# Altium PCB CL-HC-M-V2.1gerber.PcbDoc (part 10 of 16)
Units mil, origin at the board's own origin, x right, y up, seen from the top; angles counter-clockwise.
Board outline 27559.06 x 27559.06 mil, 2 copper layers (TopLayer, BottomLayer); 575 components, 528 nets, 1941 pads, 1850 vias.
Unrouted connection lines stored in the file: 70.
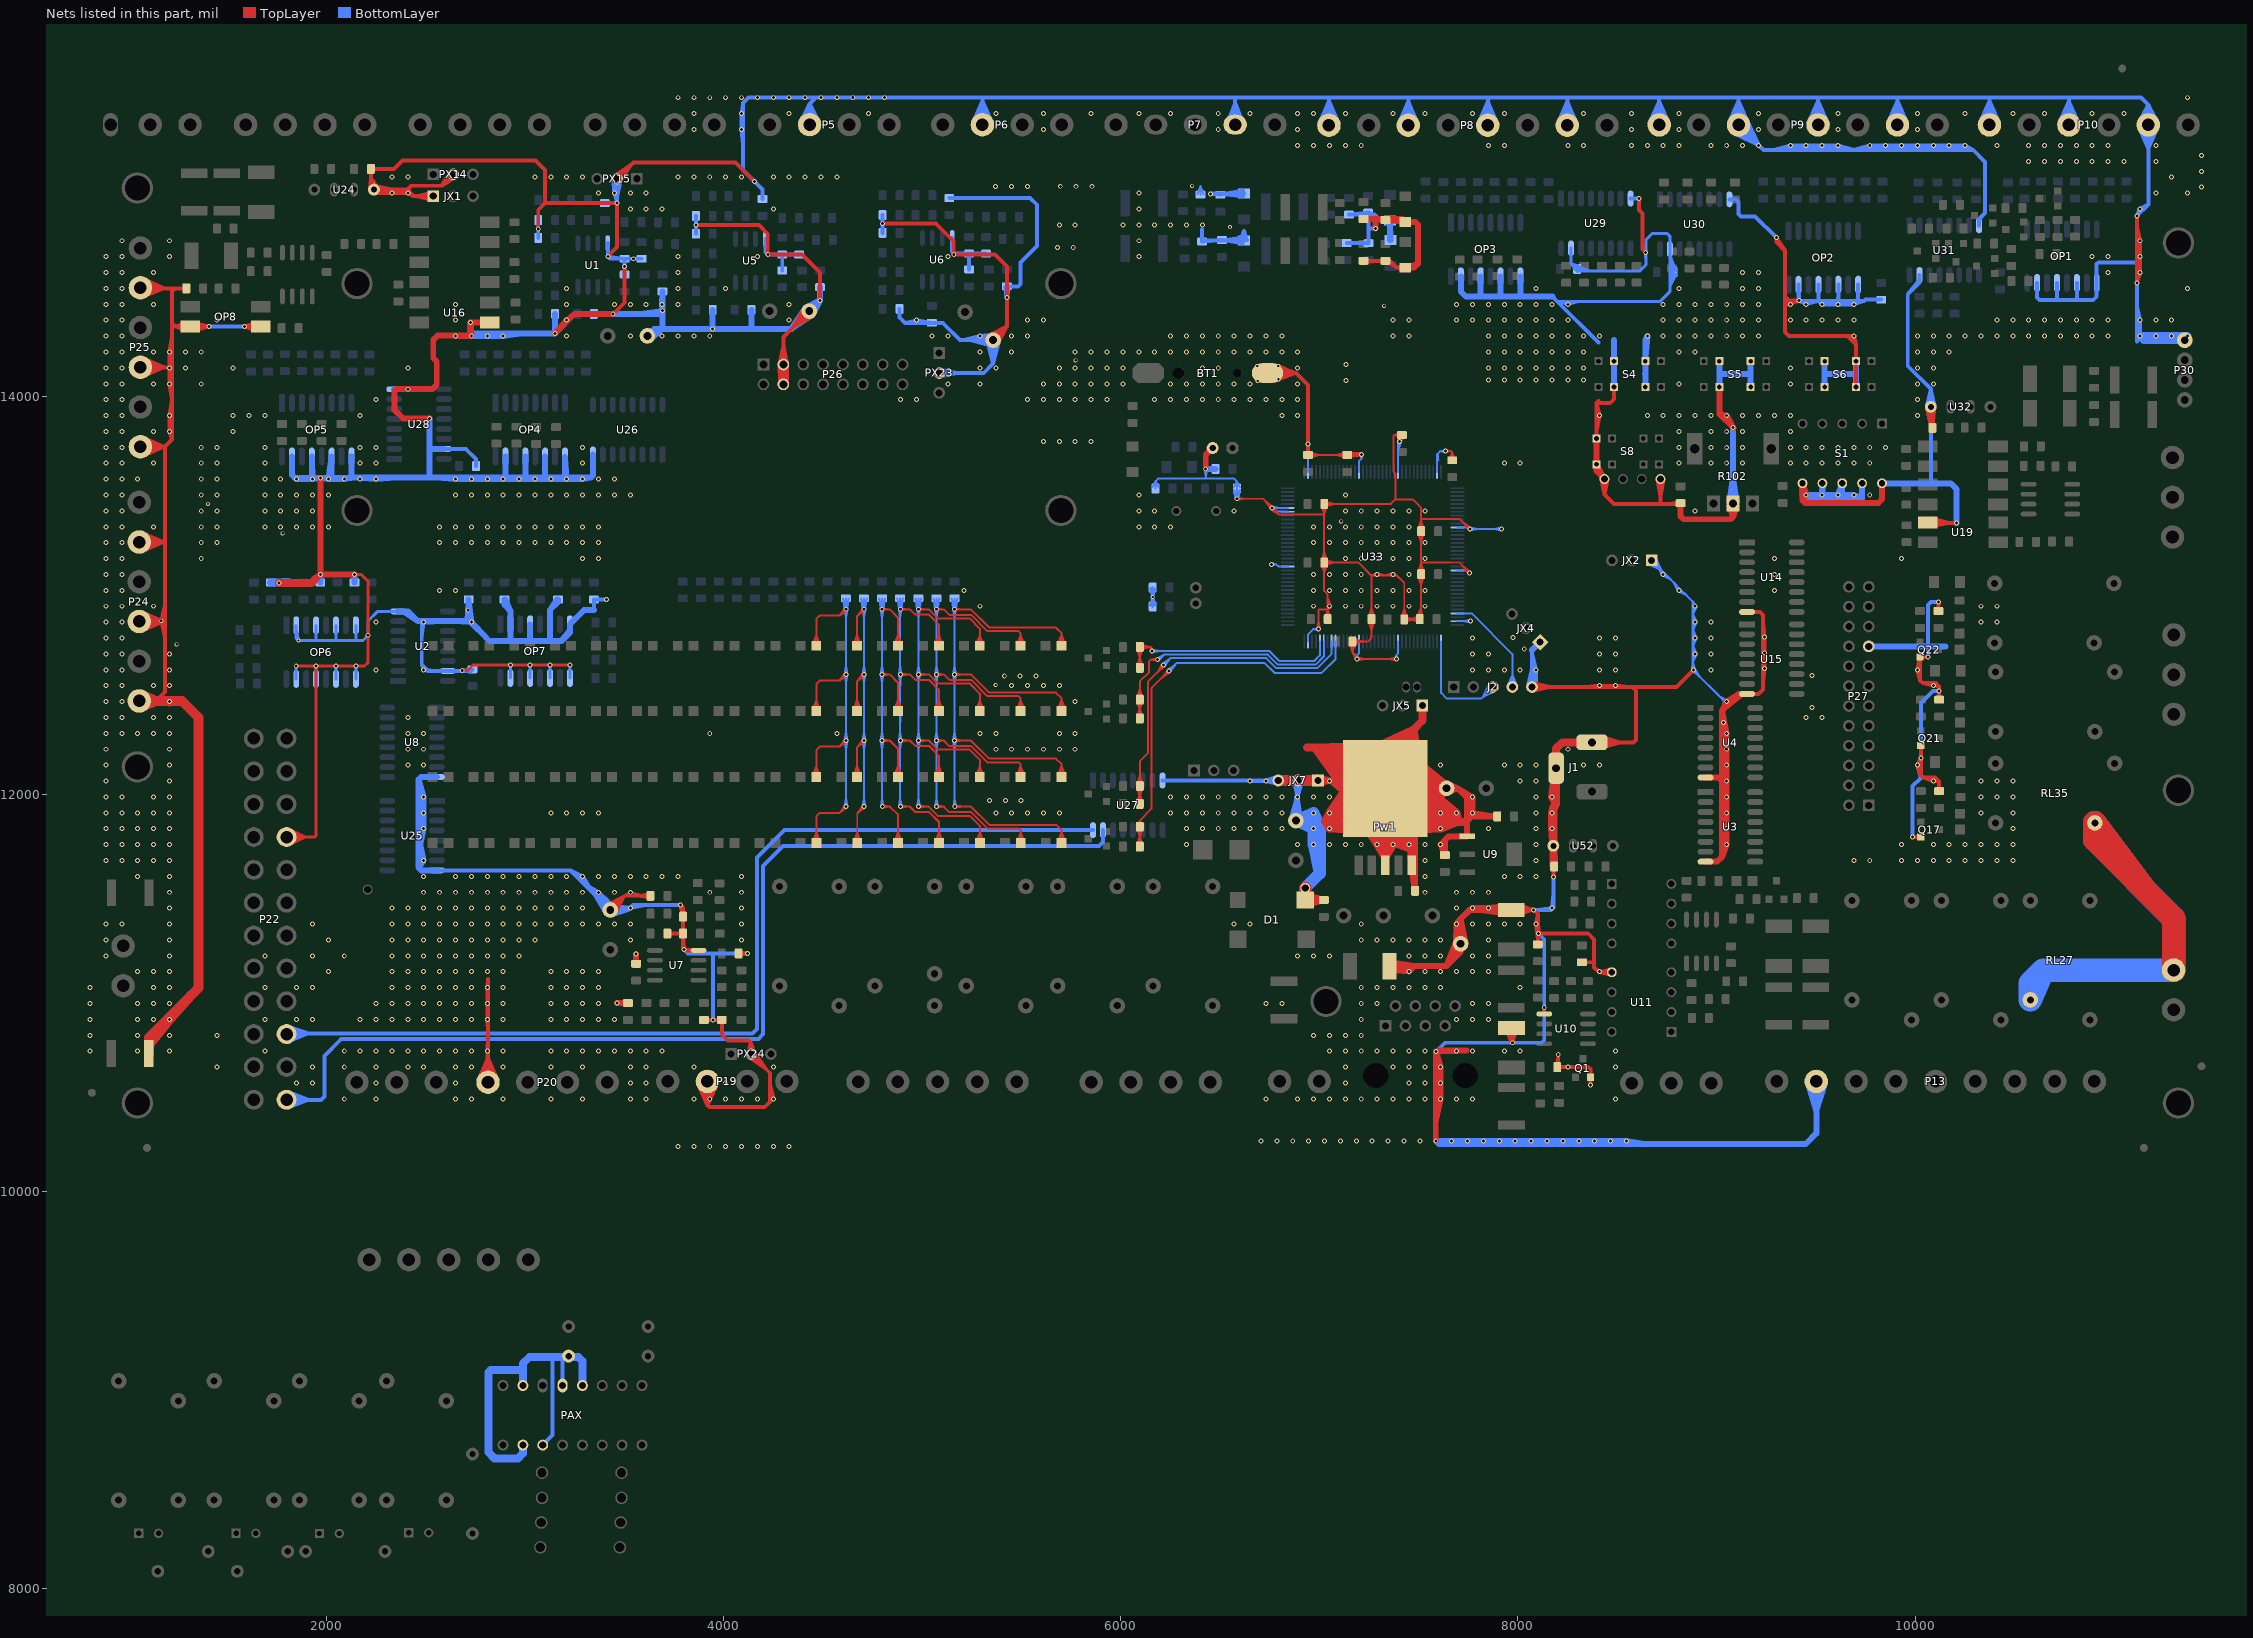
[diagram p10: the nets of this part, all layers, seen from the top]

## Via types
v1: diameter 25, hole 15, TopLayer to BottomLayer, tented both sides, 1813 vias
v2: diameter 20, hole 12, TopLayer to BottomLayer, tented both sides, 24 vias
v3: diameter 25, hole 15, TopLayer to BottomLayer, 13 vias

## Nets (pads, with @x,y where several pads share a name; then routed paths per layer and width w, separated by ;. In a path a pad name is that pad's centre, name@x,y a point inside that pad or via, vN(x,y) a via of type N, cw(c..) or ccw(c..) an arc to the next point about the centre after c; other vN are vias at no path point) (continued)
GND: (continued)
  other v1: 3771.13,10225.98 3851.13,10225.98 3931.13,10225.98 4011.13,10225.98 4091.13,10225.98 4171.13,10225.98 4251.13,10225.98 4331.13,10225.98 6706.22,10254.24 6786.22,10254.24 6866.22,10254.24 6946.22,10254.24 7026.22,10254.24 7106.22,10254.24 7186.22,10254.24 7266.22,10254.24 7346.22,10254.24 7426.22,10254.24 7506.22,10254.24 2091.13,10465.98 2251.13,10465.98 2651.13,10465.98 2731.13,10465.98 2891.13,10465.98 3131.13,10465.98 3291.13,10465.98 3531.13,10465.98 3611.13,10465.98 3851.13,10465.98 4011.13,10465.98 4091.13,10465.98 4171.13,10465.98 6731.13,10465.98 6891.13,10465.98 6971.13,10465.98 7051.13,10465.98 7131.13,10465.98 7211.13,10465.98 7291.13,10465.98 7371.13,10465.98 7451.13,10465.98 7531.13,10465.98 7691.13,10465.98 7771.13,10465.98 8491.13,10465.98 1851.13,10545.98 1931.13,10545.98 2251.13,10545.98 2651.13,10545.98 3531.13,10545.98 3611.13,10545.98 4011.13,10545.98 7131.13,10545.98 7451.13,10545.98 7531.13,10545.98 1451.13,10625.98 1931.13,10625.98 2091.13,10625.98 2251.13,10625.98 2411.13,10625.98 2491.13,10625.98 2651.13,10625.98 2731.13,10625.98 2891.13,10625.98 3131.13,10625.98 3291.13,10625.98 3531.13,10625.98 3611.13,10625.98 3851.13,10625.98 4251.13,10625.98 7131.13,10625.98 7371.13,10625.98 7451.13,10625.98 7531.13,10625.98 8491.13,10625.98 811.13,10705.98 1051.13,10705.98 1211.13,10705.98 1691.13,10705.98 2091.13,10705.98 2171.13,10705.98 2251.13,10705.98 2331.13,10705.98 2411.13,10705.98 2491.13,10705.98 2571.13,10705.98 2651.13,10705.98 2731.13,10705.98 2891.13,10705.98 3131.13,10705.98 3211.13,10705.98 3291.13,10705.98 3371.13,10705.98 3451.13,10705.98 3531.13,10705.98 3611.13,10705.98 3691.13,10705.98 7051.13,10705.98 7131.13,10705.98 7211.13,10705.98 7291.13,10705.98 7371.13,10705.98 7451.13,10705.98 7531.13,10705.98 7771.13,10705.98 7931.13,10705.98 8011.13,10705.98 8491.13,10705.98 811.13,10785.98 1051.13,10785.98 1211.13,10785.98 1451.13,10785.98 6971.13,10785.98 7051.13,10785.98 7131.13,10785.98 7211.13,10785.98 811.13,10865.98 1051.13,10865.98 1131.13,10865.98 1691.13,10865.98 1851.13,10865.98 1931.13,10865.98 2171.13,10865.98 2251.13,10865.98 2331.13,10865.98 2411.13,10865.98 2491.13,10865.98 2571.13,10865.98 2651.13,10865.98 2731.13,10865.98 2891.13,10865.98 3131.13,10865.98 3211.13,10865.98 3291.13,10865.98 3371.13,10865.98 3451.13,10865.98 7211.13,10865.98 7691.13,10865.98 7771.13,10865.98 7851.13,10865.98 811.13,10945.98 1051.13,10945.98 1131.13,10945.98 1211.13,10945.98 2251.13,10945.98 2331.13,10945.98 2411.13,10945.98 2491.13,10945.98 2571.13,10945.98 2651.13,10945.98 2731.13,10945.98 2891.13,10945.98 3131.13,10945.98 3211.13,10945.98 3291.13,10945.98 3371.13,10945.98 6731.13,10945.98 6811.13,10945.98 7211.13,10945.98 7291.13,10945.98 7771.13,10945.98 7851.13,10945.98 811.13,11025.98 1131.13,11025.98 1211.13,11025.98 1691.13,11025.98 1851.13,11025.98 1931.13,11025.98 2331.13,11025.98 2411.13,11025.98 2491.13,11025.98 2571.13,11025.98 2651.13,11025.98 2731.13,11025.98 2891.13,11025.98 3131.13,11025.98 3211.13,11025.98 3291.13,11025.98 3371.13,11025.98 7211.13,11025.98 7291.13,11025.98 7371.13,11025.98 7451.13,11025.98 7531.13,11025.98 7611.13,11025.98 8011.13,11025.98 1051.13,11105.98 1131.13,11105.98 1211.13,11105.98 2011.13,11105.98 2331.13,11105.98 2411.13,11105.98 2491.13,11105.98 2571.13,11105.98 2651.13,11105.98 2731.13,11105.98 2811.13,11105.98 2891.13,11105.98 3131.13,11105.98 3211.13,11105.98 3291.13,11105.98 3371.13,11105.98 7531.13,11105.98 7611.13,11105.98 7691.13,11105.98 7771.13,11105.98 7851.13,11105.98 891.13,11185.98 1211.13,11185.98 1691.13,11185.98 1931.13,11185.98 2091.13,11185.98 2331.13,11185.98 2411.13,11185.98 2491.13,11185.98 2571.13,11185.98 2651.13,11185.98 2731.13,11185.98 2811.13,11185.98 2891.13,11185.98 2971.13,11185.98 6891.13,11185.98 6971.13,11185.98 7051.13,11185.98 7451.13,11185.98 7531.13,11185.98 7611.13,11185.98 7771.13,11185.98 7851.13,11185.98 891.13,11265.98 1211.13,11265.98 2011.13,11265.98 2331.13,11265.98 2411.13,11265.98 2491.13,11265.98 2571.13,11265.98 2651.13,11265.98 2731.13,11265.98 2811.13,11265.98 2891.13,11265.98 2971.13,11265.98 3051.13,11265.98 3531.13,11265.98 4091.13,11265.98 7211.13,11265.98 7291.13,11265.98 7371.13,11265.98 7451.13,11265.98 7531.13,11265.98 7611.13,11265.98 7851.13,11265.98 891.13,11345.98 971.13,11345.98 1211.13,11345.98 1931.13,11345.98 2331.13,11345.98 2411.13,11345.98 2491.13,11345.98 2571.13,11345.98 2651.13,11345.98 2731.13,11345.98 2811.13,11345.98 2891.13,11345.98 2971.13,11345.98 3051.13,11345.98 3131.13,11345.98 3211.13,11345.98 3291.13,11345.98 3371.13,11345.98 3451.13,11345.98 3531.13,11345.98 4091.13,11345.98 6571.13,11345.98 6651.13,11345.98 7211.13,11345.98 7771.13,11345.98 7851.13,11345.98 7931.13,11345.98 8011.13,11345.98 1211.13,11425.98 2331.13,11425.98 2411.13,11425.98 2491.13,11425.98 2571.13,11425.98 2651.13,11425.98 2731.13,11425.98 2811.13,11425.98 2891.13,11425.98 2971.13,11425.98 3051.13,11425.98 3131.13,11425.98 3211.13,11425.98 3291.13,11425.98 4091.13,11425.98 7691.13,11425.98 1211.13,11505.98 2491.13,11505.98 2571.13,11505.98 2651.13,11505.98 2731.13,11505.98 2811.13,11505.98 2891.13,11505.98 2971.13,11505.98 3051.13,11505.98 3131.13,11505.98 3211.13,11505.98 3291.13,11505.98 3451.13,11505.98 3931.13,11505.98 4091.13,11505.98 7531.13,11505.98 7691.13,11505.98 7771.13,11505.98 7851.13,11505.98 1051.13,11585.98 1211.13,11585.98 2491.13,11585.98 2651.13,11585.98 2731.13,11585.98 2811.13,11585.98 2891.13,11585.98 2971.13,11585.98 3051.13,11585.98 3131.13,11585.98 3211.13,11585.98 3371.13,11585.98 3451.13,11585.98 3531.13,11585.98 3611.13,11585.98 3691.13,11585.98 3771.13,11585.98 4091.13,11585.98 7531.13,11585.98 7931.13,11585.98 8011.13,11585.98 8091.13,11585.98 891.13,11665.98 971.13,11665.98 1051.13,11665.98 1131.13,11665.98 1211.13,11665.98 7531.13,11665.98 8091.13,11665.98 9691.13,11665.98 9771.13,11665.98 9931.13,11665.98 10011.13,11665.98 10091.13,11665.98 10171.13,11665.98 10251.13,11665.98 10331.13,11665.98 10411.13,11665.98 10491.13,11665.98 891.13,11745.98 971.13,11745.98 1051.13,11745.98 1131.13,11745.98 1211.13,11745.98 6331.13,11745.98 6891.13,11745.98 7051.13,11745.98 7131.13,11745.98 7211.13,11745.98 7531.13,11745.98 8091.13,11745.98 9931.13,11745.98 10091.13,11745.98 10171.13,11745.98 10251.13,11745.98 10331.13,11745.98 10411.13,11745.98 10491.13,11745.98 891.13,11825.98 971.13,11825.98 1051.13,11825.98 1131.13,11825.98 1211.13,11825.98 6331.13,11825.98 6411.13,11825.98 6491.13,11825.98 6571.13,11825.98 6651.13,11825.98 6731.13,11825.98 6811.13,11825.98 7851.13,11825.98 8091.13,11825.98 10491.13,11825.98 891.13,11905.98 971.13,11905.98 1051.13,11905.98 1131.13,11905.98 1211.13,11905.98 3131.13,11905.98 3211.13,11905.98 3291.13,11905.98 3371.13,11905.98 5371.13,11905.98 5451.13,11905.98 5531.13,11905.98 5611.13,11905.98 5691.13,11905.98 6251.13,11905.98 6331.13,11905.98 6411.13,11905.98 6491.13,11905.98 6571.13,11905.98 6651.13,11905.98 6731.13,11905.98 6811.13,11905.98 8091.13,11905.98 10331.13,11905.98 10491.13,11905.98 5339.09,11966.93 5419.09,11966.93 5499.09,11966.93 891.13,11985.98 971.13,11985.98 1131.13,11985.98 1211.13,11985.98 6251.13,11985.98 6331.13,11985.98 6411.13,11985.98 6491.13,11985.98 6571.13,11985.98 6651.13,11985.98 6731.13,11985.98 6811.13,11985.98 6971.13,11985.98 7051.13,11985.98 8091.13,11985.98 10331.13,11985.98 10411.13,11985.98 10491.13,11985.98 891.13,12065.98 1211.13,12065.98 8011.13,12065.98 8091.13,12065.98 10331.13,12065.98 10411.13,12065.98 10491.13,12065.98 891.13,12145.98 1211.13,12145.98 2411.13,12145.98 2491.13,12145.98 7611.13,12145.98 7931.13,12145.98 8011.13,12145.98 8091.13,12145.98 8331.13,12145.98 8411.13,12145.98 891.13,12225.98 1211.13,12225.98 2411.13,12225.98 2491.13,12225.98 5371.13,12225.98 5451.13,12225.98 5531.13,12225.98 5611.13,12225.98 5691.13,12225.98 5771.13,12225.98 8251.13,12225.98 891.13,12305.98 971.13,12305.98 1051.13,12305.98 1131.13,12305.98 1211.13,12305.98 2411.13,12305.98 2491.13,12305.98 3931.13,12305.98 4571.13,12305.98 5291.13,12305.98 5371.13,12305.98 5691.13,12305.98 5771.13,12305.98 891.13,12385.98 971.13,12385.98 1131.13,12385.98 1211.13,12385.98 2411.13,12385.98 9451.13,12385.98 9531.13,12385.98 9479.9,12436.22 891.13,12465.98 971.13,12465.98 5771.13,12465.98 891.13,12545.98 971.13,12545.98 1131.13,12545.98 1211.13,12545.98 5451.13,12545.98 5531.13,12545.98 5611.13,12545.98 5691.13,12545.98 5413.89,12595.76 5493.89,12595.76 5573.89,12595.76 9479.9,12596.22 891.13,12625.98 971.13,12625.98 1211.13,12625.98 2251.13,12625.98 7771.13,12625.98 7851.13,12625.98 7931.13,12625.98 8011.13,12625.98 8411.13,12625.98 8491.13,12625.98 8971.13,12625.98 891.13,12705.98 971.13,12705.98 1211.13,12705.98 7771.13,12705.98 7851.13,12705.98 8411.13,12705.98 8491.13,12705.98 8971.13,12705.98 8031.75,12730.84 891.13,12785.98 971.13,12785.98 7771.13,12785.98 8411.13,12785.98 8491.13,12785.98 8971.13,12785.98 7975.18,12787.41 891.13,12865.98 971.13,12865.98 2251.13,12865.98 8971.13,12865.98 10331.13,12865.98 10411.13,12865.98 891.13,12945.98 971.13,12945.98 1131.13,12945.98 5291.13,12945.98 6971.13,12945.98 7131.13,12945.98 7211.13,12945.98 7291.13,12945.98 7371.13,12945.98 7451.13,12945.98 7531.13,12945.98 10331.13,12945.98 10411.13,12945.98 891.13,13025.98 971.13,13025.98 2571.13,13025.98 2651.13,13025.98 5211.13,13025.98 6971.13,13025.98 7051.13,13025.98 7131.13,13025.98 7211.13,13025.98 7291.13,13025.98 7371.13,13025.98 7451.13,13025.98 7531.13,13025.98 9291.13,13025.98 891.13,13105.98 971.13,13105.98 6971.13,13105.98 7051.13,13105.98 7131.13,13105.98 7211.13,13105.98 7451.13,13105.98 9291.13,13105.98 891.13,13185.98 971.13,13185.98 1371.13,13185.98 3291.13,13185.98 3371.13,13185.98 7131.13,13185.98 7211.13,13185.98 7291.13,13185.98 7371.13,13185.98 7451.13,13185.98 7531.13,13185.98 9291.13,13185.98 9931.13,13185.98 891.13,13265.98 971.13,13265.98 1371.13,13265.98 1451.13,13265.98 2571.13,13265.98 2651.13,13265.98 2731.13,13265.98 2811.13,13265.98 2891.13,13265.98 2971.13,13265.98 3051.13,13265.98 3131.13,13265.98 3211.13,13265.98 3291.13,13265.98 3371.13,13265.98 6971.13,13265.98 7051.13,13265.98 7131.13,13265.98 7211.13,13265.98 7291.13,13265.98 7371.13,13265.98 7451.13,13265.98 7531.13,13265.98 891.13,13345.98 971.13,13345.98 1131.13,13345.98 1371.13,13345.98 1451.13,13345.98 1691.13,13345.98 1771.13,13345.98 1851.13,13345.98 1931.13,13345.98 2011.13,13345.98 2571.13,13345.98 2651.13,13345.98 2731.13,13345.98 2811.13,13345.98 2891.13,13345.98 2971.13,13345.98 3051.13,13345.98 3131.13,13345.98 3211.13,13345.98 3291.13,13345.98 3371.13,13345.98 6091.13,13345.98 6171.13,13345.98 6251.13,13345.98 6971.13,13345.98 7051.13,13345.98 7131.13,13345.98 7211.13,13345.98 7291.13,13345.98 7371.13,13345.98 7451.13,13345.98 891.13,13425.98 971.13,13425.98 1371.13,13425.98 1451.13,13425.98 1691.13,13425.98 1771.13,13425.98 1851.13,13425.98 1931.13,13425.98 6091.13,13425.98 6171.13,13425.98 6571.13,13425.98 7131.13,13425.98 7211.13,13425.98 7291.13,13425.98 7371.13,13425.98 7451.13,13425.98 7531.13,13425.98 8891.13,13425.98 891.13,13505.98 971.13,13505.98 1371.13,13505.98 1451.13,13505.98 1691.13,13505.98 1771.13,13505.98 1851.13,13505.98 1931.13,13505.98 2011.13,13505.98 2651.13,13505.98 2731.13,13505.98 2811.13,13505.98 2891.13,13505.98 2971.13,13505.98 3051.13,13505.98 3131.13,13505.98 3211.13,13505.98 3291.13,13505.98 3371.13,13505.98 3451.13,13505.98 3531.13,13505.98 6091.13,13505.98 7131.13,13505.98 9771.13,13505.98 891.13,13585.98 971.13,13585.98 1051.13,13585.98 1371.13,13585.98 1451.13,13585.98 1691.13,13585.98 1771.13,13585.98 2171.13,13585.98 3371.13,13585.98 3451.13,13585.98 891.13,13665.98 971.13,13665.98 1131.13,13665.98 1371.13,13665.98 1451.13,13665.98 1691.13,13665.98 2171.13,13665.98 2251.13,13665.98 3291.13,13665.98 7931.13,13665.98 8011.13,13665.98 8811.13,13665.98 8971.13,13665.98 9051.13,13665.98 9131.13,13665.98 9371.13,13665.98 9451.13,13665.98 9531.13,13665.98 9611.13,13665.98 9691.13,13665.98 9771.13,13665.98 891.13,13745.98 971.13,13745.98 1371.13,13745.98 1451.13,13745.98 1691.13,13745.98 2171.13,13745.98 2251.13,13745.98 3291.13,13745.98 8811.13,13745.98 8971.13,13745.98 9051.13,13745.98 9131.13,13745.98 9371.13,13745.98 9451.13,13745.98 9531.13,13745.98 9611.13,13745.98 9691.13,13745.98 9771.13,13745.98 9851.13,13745.98 5611.13,13775.98 5691.13,13775.98 5771.13,13775.98 5851.13,13775.98 891.13,13825.98 971.13,13825.98 1131.13,13825.98 1531.13,13825.98 8811.13,13825.98 8971.13,13825.98 9051.13,13825.98 9131.13,13825.98 9371.13,13825.98 891.13,13905.98 971.13,13905.98 1531.13,13905.98 1611.13,13905.98 1691.13,13905.98 2171.13,13905.98 6811.13,13905.98 6891.13,13905.98 8651.13,13905.98 8731.13,13905.98 8811.13,13905.98 8891.13,13905.98 8971.13,13905.98 9131.13,13905.98 9211.13,13905.98 9291.13,13905.98 9371.13,13905.98 10011.13,13905.98 891.13,13985.98 971.13,13985.98 2251.13,13985.98 4891.13,13985.98 4971.13,13985.98 5531.13,13985.98 5611.13,13985.98 5691.13,13985.98 5771.13,13985.98 5851.13,13985.98 5931.13,13985.98 6171.13,13985.98 6251.13,13985.98 6331.13,13985.98 6411.13,13985.98 6491.13,13985.98 6571.13,13985.98 6651.13,13985.98 6731.13,13985.98 6811.13,13985.98 6891.13,13985.98 10011.13,13985.98 891.13,14065.98 971.13,14065.98 1131.13,14065.98 1371.13,14065.98 5131.13,14065.98 5291.13,14065.98 5611.13,14065.98 5691.13,14065.98 5771.13,14065.98 5851.13,14065.98 5931.13,14065.98 6011.13,14065.98 6251.13,14065.98 6331.13,14065.98 6411.13,14065.98 6491.13,14065.98 6571.13,14065.98 6651.13,14065.98 6891.13,14065.98 8811.13,14065.98 9371.13,14065.98 10011.13,14065.98 10091.13,14065.98 7134.91,14081.97 7851.13,14085.98 7931.13,14085.98 8011.13,14085.98 8091.13,14085.98 8171.13,14085.98 8251.13,14085.98 8331.13,14085.98 891.13,14145.98 971.13,14145.98 1291.13,14145.98 1531.13,14145.98 2411.13,14145.98 5291.13,14145.98 5371.13,14145.98 5691.13,14145.98 5771.13,14145.98 5851.13,14145.98 5931.13,14145.98 6011.13,14145.98 6411.13,14145.98 6491.13,14145.98 6891.13,14145.98 7851.13,14145.98 7931.13,14145.98 8011.13,14145.98 8091.13,14145.98 8171.13,14145.98 8251.13,14145.98 8331.13,14145.98 9371.13,14145.98 10011.13,14145.98 10091.13,14145.98 7134.91,14161.97 891.13,14225.98 971.13,14225.98 1131.13,14225.98 1291.13,14225.98 1371.13,14225.98 5291.13,14225.98 5451.13,14225.98 5771.13,14225.98 5851.13,14225.98 5931.13,14225.98 6011.13,14225.98 6091.13,14225.98 6171.13,14225.98 6251.13,14225.98 6331.13,14225.98 6411.13,14225.98 6491.13,14225.98 6571.13,14225.98 6651.13,14225.98 6731.13,14225.98 6811.13,14225.98 6891.13,14225.98 7851.13,14225.98 7931.13,14225.98 8011.13,14225.98 8091.13,14225.98 8171.13,14225.98 8251.13,14225.98 8331.13,14225.98 8811.13,14225.98 8891.13,14225.98 10011.13,14225.98 10091.13,14225.98 10171.13,14225.98 891.13,14305.98 971.13,14305.98 3211.13,14305.98 3531.13,14305.98 3691.13,14305.98 3771.13,14305.98 3851.13,14305.98 3931.13,14305.98 5051.13,14305.98 5131.13,14305.98 5451.13,14305.98 5531.13,14305.98 6251.13,14305.98 6331.13,14305.98 6411.13,14305.98 6491.13,14305.98 6571.13,14305.98 6651.13,14305.98 6731.13,14305.98 6811.13,14305.98 7371.13,14305.98 7451.13,14305.98 7851.13,14305.98 7931.13,14305.98 8011.13,14305.98 8091.13,14305.98 8171.13,14305.98 8251.13,14305.98 8331.13,14305.98 8411.13,14305.98 8731.13,14305.98 8811.13,14305.98 8891.13,14305.98 8971.13,14305.98 9051.13,14305.98 9131.13,14305.98 9211.13,14305.98 10011.13,14305.98 10091.13,14305.98 10171.13,14305.98 10251.13,14305.98 10331.13,14305.98 10411.13,14305.98 10491.13,14305.98 10571.13,14305.98 10651.13,14305.98 10731.13,14305.98 10811.13,14305.98 10891.13,14305.98 10971.13,14305.98 891.13,14385.98 971.13,14385.98 1451.13,14385.98 2651.13,14385.98 4331.13,14385.98 5531.13,14385.98 5611.13,14385.98 7371.13,14385.98 7451.13,14385.98 7691.13,14385.98 7771.13,14385.98 7851.13,14385.98 7931.13,14385.98 8011.13,14385.98 8091.13,14385.98 8171.13,14385.98 8251.13,14385.98 8731.13,14385.98 8811.13,14385.98 8891.13,14385.98 8971.13,14385.98 9051.13,14385.98 9131.13,14385.98 9211.13,14385.98 9371.13,14385.98 9451.13,14385.98 9531.13,14385.98 9611.13,14385.98 9691.13,14385.98 10411.13,14385.98 10491.13,14385.98 10571.13,14385.98 10651.13,14385.98 10731.13,14385.98 10811.13,14385.98 10891.13,14385.98 10971.13,14385.98 11211.13,14385.98 11291.13,14385.98 891.13,14465.98 971.13,14465.98 1131.13,14465.98 2651.13,14465.98 3211.13,14465.98 3451.13,14465.98 3531.13,14465.98 3611.13,14465.98 3771.13,14465.98 4331.13,14465.98 7691.13,14465.98 7771.13,14465.98 7851.13,14465.98 7931.13,14465.98 8011.13,14465.98 8091.13,14465.98 8171.13,14465.98 8731.13,14465.98 8811.13,14465.98 8891.13,14465.98 8971.13,14465.98 9051.13,14465.98 9131.13,14465.98 9211.13,14465.98 891.13,14545.98 971.13,14545.98 3211.13,14545.98 3771.13,14545.98 4011.13,14545.98 8091.13,14545.98 8811.13,14545.98 9131.13,14545.98 9211.13,14545.98 11371.13,14545.98 891.13,14625.98 971.13,14625.98 1131.13,14625.98 3771.13,14625.98 9131.13,14625.98 9211.13,14625.98 10971.13,14625.98 891.13,14705.98 971.13,14705.98 1211.13,14705.98 3771.13,14705.98 4171.13,14705.98 5131.13,14705.98 6091.13,14705.98 10891.13,14705.98 10971.13,14705.98 5681.21,14753.13 5761.21,14753.13 971.13,14785.98 1211.13,14785.98 6091.13,14785.98 5691.13,14865.98 5771.13,14865.98 6011.13,14865.98 6091.13,14865.98 6171.13,14865.98 6251.13,14865.98 6331.13,14865.98 6411.13,14865.98 3531.13,14945.98 3611.13,14945.98 3691.13,14945.98 4251.13,14945.98 6091.13,14945.98 3371.13,15025.98 3531.13,15025.98 3611.13,15025.98 6091.13,15025.98 11211.13,15025.98 11371.13,15025.98 11440.88,15055.67 5370.87,15058 5450.87,15058 5530.87,15058 5695.79,15060.29 5775.79,15060.29 5855.79,15060.29 2331.13,15105.98 2411.13,15105.98 3051.13,15105.98 3131.13,15105.98 3211.13,15105.98 3291.13,15105.98 3771.13,15105.98 3851.13,15105.98 3931.13,15105.98 4011.13,15105.98 4091.13,15105.98 4251.13,15105.98 4331.13,15105.98 4411.13,15105.98 4491.13,15105.98 4571.13,15105.98 11291.13,15105.98 11440.88,15135.67 10571.13,15185.98 10651.13,15185.98 10731.13,15185.98 10811.13,15185.98 10891.13,15185.98 10971.13,15185.98 11051.13,15185.98 11211.13,15185.98 11440.88,15215.67 6891.13,15265.98 6971.13,15265.98 7051.13,15265.98 7131.13,15265.98 7211.13,15265.98 7851.13,15265.98 7931.13,15265.98 8251.13,15265.98 8331.13,15265.98 8571.13,15265.98 8651.13,15265.98 8731.13,15265.98 8811.13,15265.98 8971.13,15265.98 9051.13,15265.98 9131.13,15265.98 10411.13,15265.98 10571.13,15265.98 10651.13,15265.98 10731.13,15265.98 10811.13,15265.98 10891.13,15265.98 10971.13,15265.98 11211.13,15265.98 3851.13,15345.98 5611.13,15345.98 6491.13,15345.98 6891.13,15345.98 8571.13,15345.98 8811.13,15345.98 9211.13,15345.98 9611.13,15345.98 10011.13,15345.98 3851.13,15425.98 4331.13,15425.98 4731.13,15425.98 5371.13,15425.98 5611.13,15425.98 5851.13,15425.98 6091.13,15425.98 6251.13,15425.98 6491.13,15425.98 6651.13,15425.98 6891.13,15425.98 6971.13,15425.98 7131.13,15425.98 7371.13,15425.98 7531.13,15425.98 7771.13,15425.98 7931.13,15425.98 8331.13,15425.98 8571.13,15425.98 8811.13,15425.98 9211.13,15425.98 9611.13,15425.98 10011.13,15425.98 10251.13,15425.98 10491.13,15425.98 10651.13,15425.98 10891.13,15425.98 11051.13,15425.98 3771.13,15505.98 3851.13,15505.98 3931.13,15505.98 4011.13,15505.98 4091.13,15505.98 11371.13,15505.98